# Altium PCB bms_mainboard-1_0.PcbDoc (part 6 of 7)
Units mm, origin at the board's own origin, x right, y up, seen from the top; angles counter-clockwise.
Board outline 287.5 x 127.76 mm, 6 copper layers (L1, L2, L3, L4, L5, L6), stack 1.853 mm thick; 821 components, 640 nets, 2823 pads, 1876 vias.
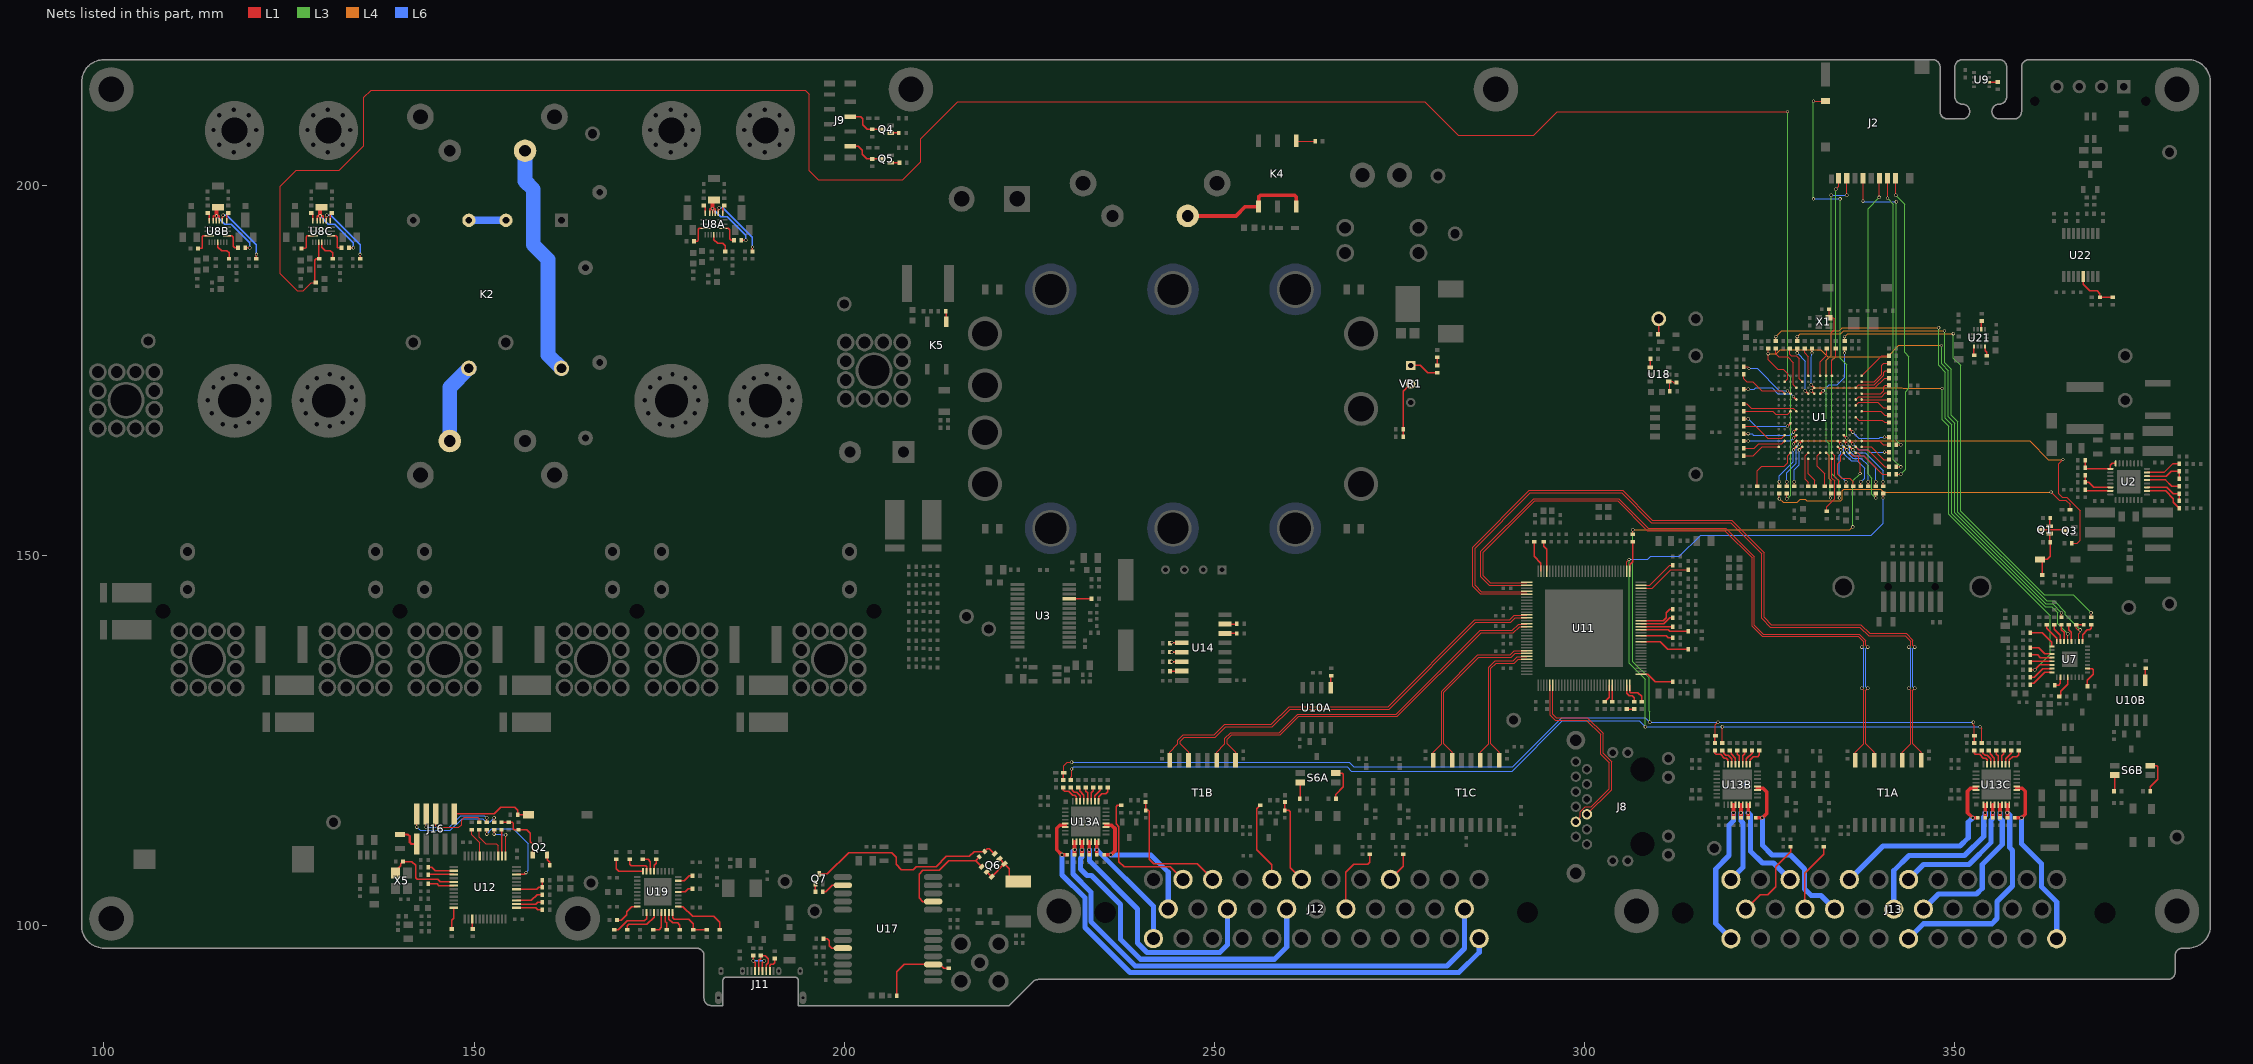
[diagram p10: the nets of this part, all layers, seen from the top]

## Via types
v1: diameter 0.45, hole 0.3, L1 to L6, 908 vias
v2: diameter 1, hole 0.6, L1 to L6, 875 vias
v3: diameter 0.65, hole 0.3, L1 to L6, 41 vias
v4: diameter 0.5, hole 0.35, L1 to L6, 28 vias
v5: diameter 0.45, hole 0.3, L1 to L6, tented both sides, 24 vias

## Nets (pads, with @x,y where several pads share a name; then routed paths per layer and width w, separated by ;. In a path a pad name is that pad's centre, name@x,y a point inside that pad or via, vN(x,y) a via of type N, cw(c..) or ccw(c..) an arc to the next point about the centre after c; other vN are vias at no path point) (continued)
NetJ11_CC2: J11.CC2 R127.2 | length 2.1
  L1 w0.2: J11.CC2@189.95,93.9 189.95,94.65 190.1,94.8 190.4,94.8 190.6,95 R127.2@190.6,95.6
NetJ11_DN1: J11.DN1 J11.DN2 R129.2 | length 5.2
  L1 w0.2: R129.2@187.7,96 v1(187.7,95.3) 187.95,95.05 J11.DN2@187.95,93.9 ; J11.DN1@188.95,93.9 188.95,95.05 v1(189.2,95.3)
  L6 w0.2: v1(187.7,95.3) v1(189.2,95.3)
NetJ11_DP1: J11.DP1 J11.DP2 R128.2 | length 5.2
  L1 w0.2: J11.DP1@188.45,93.9 188.45,95.35 188.7,95.6 R128.2@188.7,96 189.3,96 189.7,95.6 189.7,95 189.45,94.75 J11.DP2@189.45,93.9
NetJ12_2: J12.2 R217A.2 | length 18
  L1 w0.2: R217A.2@237.4,116.3 236.9,116.3 236.7,116.1 236.7,113.8 237.1,113.4 237.1,108.7 237.8,108 244.043,108 J12.2@245.75,106.294
NetJ12_3: C148A.1 FB12A.2 J12.3 | length 17.9
  L1 w0.2: FB12A.2@240.7,116.75 C148A.1@240.7,115.6 241.1,115.6 241.2,115.5 241.2,109 241.8,108.4 247.643,108.4 J12.3@249.75,106.294
NetJ12_5: J12.5 R217B.2 | length 11.1
  L1 w0.2: R217B.2@256.2,116.3 255.7,115.8 255.7,110.3 257.75,108.25 J12.5@257.75,106.294
NetJ12_6: C148B.1 FB12B.2 J12.6 | length 11.7
  L1 w0.2: FB12B.2@259.5,116.75 C148B.1@259.5,115.6 260,115.6 260.2,115.4 260.2,107.843 J12.6@261.75,106.294
NetJ12_9: J12.9 R266B.1 | length 4.1
  L1 w0.2: J12.9@273.75,106.294 275.5,108.044 R266B.1@275.5,109.7
NetJ12_13: C150A.1 J12.13 U13A.3 U13A.4 | length 19.7
  L1 w0.5: C150A.1@235.1,109.6 v4(236,109.6) 236.55,110.15 236.55,113.15 236.1,113.6 235.35,113.6
  L6 w0.7: v4(236,109.6) 241.4,109.6 243.75,107.25 J12.13@243.75,102.294
NetJ12_15: C154A.1 J12.15 U13A.29 U13A.30 | length 35
  L1 w0.5: C154A.1@233.1,109.6 233.1,111.35
  L6 w0.7: v4(233.1,110.3) 233.1,108.8 239.6,102.3 239.6,97.7 240.9,96.4 250.7,96.4 251.75,97.45 J12.15@251.75,102.294
NetJ12_17: C155A.1 J12.17 U13A.27 U13A.28 | length 45.9
  L1 w0.5: C155A.1@232.1,109.6 v4(232.1,110.3) 232.1,111.35
  L6 w0.7: v4(232.1,110.3) 232.1,109.3 231.9,109.1 231.9,107.7 232.8,106.8 233.4,106.8 237.3,102.9 237.3,98.2 240,95.5 258.1,95.5 259.75,97.15 J12.17@259.75,102.294
NetJ12_19: J12.19 R266A.1 | length 9.9
  L1 w0.2: J12.19@267.75,102.294 267.75,107.25 268.8,108.3 270.7,108.3 271,108.6 R266A.1@271,109.7
NetJ12_23: C156A.1 J12.23 U13A.25 U13A.26 | length 71.8
  L1 w0.5: C156A.1@231.1,109.6 v4(231.1,110.3) 231.1,111.35
  L6 w0.7: v4(231.1,110.3) 230.9,110.1 230.9,107 233.3,104.6 233.3,100.6 239.3,94.6 281.4,94.6 283.75,96.95 J12.23@283.75,102.294
NetJ12_24: C151A.1 J12.24 U13A.31 U13A.32 | length 16.9
  L1 w0.5: C151A.1@234.1,109.6 v4(234.1,110.3) 234.1,111.35
  L6 w0.7: v4(234.1,110.3) 241.75,102.65 J12.24@241.75,98.294
NetJ12_35: C157A.1 J12.35 U13A.21 U13A.22 | length 75.7
  L1 w0.5: 229.85,113.6 229.1,113.6 228.7,113.2 228.7,110.3 v4(229.4,109.6) C157A.1@230.1,109.6
  L6 w0.7: v4(229.4,109.6) 229.4,106.9 232.5,103.8 232.5,99.8 238.6,93.7 283,93.7 285.75,96.45 J12.35@285.75,98.294
NetJ13_1: C154B.1 J13.1 U13B.29 U13B.30 | length 11.6
  L1 w0.5: C154B.1@321.1,114.6 321.1,116.35
  L6 w0.7: J13.1@319.75,106.269 321.4,107.919 321.4,113.9 321.1,114.2 v4(321.1,115.3)
NetJ13_3: C151B.1 J13.3 U13B.31 U13B.32 | length 14
  L1 w0.5: C151B.1@322.1,114.6 v4(322.1,115.3) 322.1,116.35
  L6 w0.7: v4(322.1,115.3) 322.4,115 322.4,110.1 324,108.5 325.518,108.5 J13.3@327.75,106.269
NetJ13_5: C157C.1 J13.5 U13C.21 U13C.22 | length 27.2
  L1 w0.5: 352.85,118.6 352.1,118.6 351.7,118.2 351.7,115.3 v4(352.4,114.6) C157C.1@353.1,114.6
  L6 w0.7: J13.5@335.75,106.269 340.281,110.8 350.7,110.8 351.8,111.9 351.8,114 v4(352.4,114.6)
NetJ13_7: C155C.1 J13.7 U13C.27 U13C.28 | length 19.1
  L1 w0.5: C155C.1@355.1,114.6 v4(355.1,115.3) 355.1,116.35
  L6 w0.7: J13.7@343.75,106.269 345.781,108.3 351.9,108.3 354.9,111.3 354.9,114.3 355.1,114.5 v4(355.1,115.3)
NetJ13_13: J13.13 R266C.1 | length 11.5
  L1 w0.2: J13.13@321.75,102.269 323.681,104.2 324.7,104.2 325.8,105.3 325.8,108 327.8,110 R266C.1@327.8,110.7
NetJ13_15: J13.15 R266D.1 | length 9.5
  L1 w0.2: J13.15@329.75,102.269 329.75,107.15 332.3,109.7 R266D.1@332.3,110.7
NetJ13_16: C150B.1 J13.16 U13B.3 U13B.4 | length 24.7
  L1 w0.5: C150B.1@323.1,114.6 v4(324,114.6) 324.6,115.2 324.6,118.1 324.1,118.6 323.35,118.6
  L6 w0.7: v4(324,114.6) 324,110.9 325.3,109.6 327.8,109.6 329.7,107.7 329.7,105 330.6,104.1 331.9,104.1 333.731,102.269 J13.16@333.75,102.269
NetJ13_18: C156C.1 J13.18 U13C.25 U13C.26 | length 24.3
  L1 w0.5: C156C.1@354.1,114.6 v4(354.1,115.3) 354.1,116.35
  L6 w0.7: J13.18@341.75,102.269 341.75,107.45 343.8,109.5 351.3,109.5 353.9,112.1 353.9,114.7 354.1,114.9 v4(354.1,115.3)
NetJ13_19: C154C.1 J13.19 U13C.29 U13C.30 | length 22.3
  L1 w0.5: C154C.1@356.1,114.6 356.1,116.35
  L6 w0.7: J13.19@345.75,102.269 347.781,104.3 352.9,104.3 353.7,105.1 353.7,108.3 356.4,111 356.4,114.2 356.1,114.5 v4(356.1,115.3)
NetJ13_24: C155B.1 J13.24 U13B.27 U13B.28 | length 20.6
  L1 w0.5: C155B.1@320.1,114.6 v4(320.1,115.3) 320.1,116.35
  L6 w0.7: J13.24@319.75,98.269 317.7,100.318 317.7,107.7 319.5,109.5 319.5,113.6 320.1,114.2 v4(320.1,115.3)
NetJ13_30: C151C.1 J13.30 U13C.31 U13C.32 | length 30.3
  L1 w0.5: C151C.1@357.1,114.6 v4(357.1,115.3) 357.1,116.35
  L6 w0.7: J13.30@343.75,98.269 345.781,100.3 355,100.3 355.7,101 355.7,103.3 357.8,105.4 357.8,110.2 357.4,110.6 357.4,115 v4(357.1,115.3)
NetJ13_35: C150C.1 J13.35 U13C.3 U13C.4 | length 24.3
  L1 w0.5: C150C.1@358.1,114.6 v4(359,114.6) 359.5,115.1 359.5,118.2 359.1,118.6 358.35,118.6
  L6 w0.7: v4(359,114.6) 359,111.1 361.7,108.4 361.7,105.3 363.75,103.25 J13.35@363.75,98.269
NetJ16_1: J16.1 R205.1 | length 3.3
  L1 w0.3: R205.1@140,112.35 141.05,112.35 141.3,112.1 141.3,111.3 141.532,111.068 J16.1@142.26,111.068
NetJ16_2: J16.2 R206.2 | length 14
  L1 w0.15: J16.2@142.26,115.132 142.26,113.352 v1(142.265,113.347) ; R206.2@152.7,114 v1(152.7,114.6)
  L6 w0.15: v1(142.265,113.347) 142.712,112.9 146.8,112.9 148.4,114.5 151.2,114.5 151.6,114.1 152.2,114.1 v1(152.7,114.6)
NetJ16_4: J16.4 R207.2 | length 11.4
  L1 w0.15: v1(143.513,113.317) 143.53,113.333 J16.4@143.53,115.132 ; R207.2@151.7,114 v1(151.7,114.6)
  L6 w0.15: v1(143.513,113.317) 146.617,113.317 148.2,114.9 151.4,114.9 v1(151.7,114.6)
NetJ16_6: J16.6 R208.2 | length 9.1
  L1 w0.15: J16.6@144.8,115.132 144.8,113.5 145,113.3 147.9,113.3 148.3,113.7 148.3,114.3 148.7,114.7 150.5,114.7 150.7,114.5 R208.2@150.7,114
NetJ16_10: J16.10 R210.2 S7.2 | length 11.1
  L1 w0.2: J16.10@147.34,115.132 152.732,115.132 153.6,116 155.5,116 155.9,115.6 R210.2@155.9,115 S7.2@157.35,115
NetK2_2: K2.2 K2.3 | length 5
  L6 w1: K2.3@149.3,195.3 K2.2@154.3,195.3
NetK2_5: K2.5 R84.1 | length 31.4
  L6 w2: R84.1@156.88,204.7 156.88,200.62 158,199.5 158,192 160,190 160,177.1 K2.5@161.8,175.3
NetK2_7: K2.7 R82.1 | length 10.9
  L6 w2: R82.1@146.72,165.5 146.72,172.72 K2.7@149.3,175.3
NetK4_1: K4.1 R132.1 | length 2.6
  L1 w0.15: K4.1@261.04,206.045 261.085,206 R132.1@263.6,206
NetK4_4: K4.4 K4.6 R112.1 | length 18
  L1 w0.5: R112.1@246.38,195.9 252.9,195.9 254.155,197.155 K4.4@255.96,197.155 255.96,198.46 256.2,198.7 260.8,198.7 261.04,198.46 K4.6@261.04,197.155
NetK5_1: K5.1 R155.1 | length 1.4
  L1 w0.2: R155.1@213.7,183 213.77,182.93 K5.1@213.77,181.6
NetQ1_1: Q1.1 R57.1 R59.2 S4.2 | length 6.9
  L1 w0.2: R59.2@361.8,147.4 361.8,149.2 S4.2@361.5,149.5 362.5,149.5 362.9,149.9 R57.1@362.9,151.8 362.825,151.875 Q1.1@362.825,153
NetQ1_2: Q1.2 R58.1 | length 1.1
  L1 w0.2: Q1.2@362.825,154 362.825,155.025 R58.1@362.9,155.1
NetQ1_3: Q1.3 Q3.3 | length 3.3
  L1 w0.2: Q1.3@361.575,153.5 364.775,153.5 Q3.3@364.875,153.4
NetQ2_1: Q2.1 R201.2 R202.1 R203.1 | length 8.1
  L1 w0.2: R202.1@153.7,114 R203.1@154.7,114 155.2,114 155.3,113.9 155.3,113.1 155.4,113 R201.2@156,113 157.1,113 157.6,112.5 157.6,111.4 157.95,111.05 Q2.1@157.95,109.575
NetQ2_2: Q2.2 R204.1 | length 1.5
  L1 w0.2: Q2.2@159.85,109.575 159.85,108.95 160.2,108.6 R204.1@160.2,108.2
NetQ4_1: Q4.1 R118.1 | length 1.1
  L1 w0.2: Q4.1@206.275,207.1 R118.1@207.35,207.1
NetQ5_1: Q5.1 R119.1 | length 1.2
  L1 w0.2: Q5.1@206.275,203.1 R119.1@207.45,203.1
NetQ6_1: Q6.1 Q6.2 Q6.5 Q6.6 R245.2 | length 8.7
  L1 w0.2: Q6.5@219.234,107.334 Q6.6@219.906,106.662 Q6.1@221.638,108.394 ; Q6.2@220.966,109.066 Q6.1@221.638,108.394 ; R245.2@223.5,106 223.179,105.679 222.291,105.679 222.291,107.741 Q6.1@221.638,108.394
NetQ6_3: Q6.3 Q7.3 R246.2 | length 27.9
  L1 w0.2: Q7.3@196.6,107.025 197.725,107.025 200.6,109.9 206.4,109.9 207,109.3 207,108.3 207.7,107.6 209.3,107.6 209.7,108 212.4,108 213.8,109.4 216.9,109.4 217.554,110.054 R246.2@218.954,110.054 219.3,110.4 219.6,110.4 220.262,109.738 Q6.3@220.294,109.738
NetQ6_4: Q6.4 R246.1 U17.9 | length 15.6
  L1 w0.2: U17.9@212,103.3 210.6,103.3 210.1,103.8 210.1,107 210.6,107.5 212.8,107.5 214.134,108.834 217.734,108.834 ; R246.1@218.246,109.346 217.734,108.834 ; Q6.4@218.562,108.006 217.734,108.834
NetQ7_1: Q7.1 R248.1 | length 1.2
  L1 w0.2: R248.1@196.1,104.6 Q7.1@196.1,105.775
NetR1_2: R1.2 U1.C12 | length 5.9
  L1 w0.15: v1(340.5,164) R1.2@341.1,164
  L1 w0.2: U1.C12@335.8,165.5 v1(336.2,165.1)
  L6 w0.15: v1(336.2,165.1) 337,164.3 338.2,164.3 338.5,164 v1(340.5,164)
NetR2_2: R2.2 U1.D12 | length 8.6
  L1 w0.15: R2.2@339.3,159.4 v1(339.3,160)
  L1 w0.2: U1.D12@335,165.5 v1(335.4,165.1)
  L6 w0.15: v1(335.4,165.1) 335.8,164.7 335.8,164.1 336.4,163.5 337.7,163.5 339.3,161.9 v1(339.3,160)
NetR3_2: R3.2 U1.D14 | length 6.3
  L1 w0.15: U1.D14@335,163.9 334.6,163.5 334.6,162.8 334.2,162.4 334.2,161 334.7,160.5 335.8,160.5 336.3,160 R3.2@336.3,159.4
NetR4_2: R4.2 U1.N7 | length 6.6
  L1 w0.15: R4.2@321.5,169.5 325.4,169.5 325.8,169.1 327.4,169.1 U1.N7@327.8,169.5
NetR5_2: R5.2 U1.M7 | length 7.5
  L1 w0.15: R5.2@321.5,170.5 321.9,170.5 322.5,169.9 328.2,169.9 U1.M7@328.6,169.5
NetR6_2: R6.2 U1.M13 | length 6.3
  L1 w0.15: R6.2@326.3,159.4 v1(326.3,160)
  L1 w0.2: v1(328.2,164.3) U1.M13@328.6,164.7
  L6 w0.15: v1(326.3,160) 326.3,160.8 328.2,162.7 v1(328.2,164.3)
NetR7_2: R7.2 U1.L2 | length 5.6
  L1 w0.15: R7.2@327.7,178 327.7,177.2 327.9,177 328.6,177 329,176.6 329,173.9 U1.L2@329.4,173.5
NetR8_1: R8.1 U1.N4 | length 7.8
  L1 w0.15: R8.1@321.5,175.5 322,175.5 v1(322.2,175.3) ; v1(327.4,172.3) U1.N4@327.8,171.9
  L6 w0.15: v1(322.2,175.3) 323.3,175.3 326.3,172.3 v1(327.4,172.3)
NetR9_2: R9.2 U1.F15 | length 7.7
  L1 w0.15: R9.2@332.7,156 332.7,156.6 333.8,157.7 333.8,160.1 333.4,160.5 U1.F15@333.4,163.1
NetR12_1: R12.1 U1.P4 | length 6.9
  L1 w0.15: R12.1@321.5,174.5 321.5,173.9 321.9,173.5 322.7,173.5 323.9,172.3 326.6,172.3 U1.P4@327,171.9
NetR15_2: R15.2 U1.M10 | length 7.5
  L1 w0.15: R15.2@321.5,166.5 v1(322.1,166.5)
  L1 w0.2: v1(328.2,166.7) U1.M10@328.6,167.1
  L6 w0.15: v1(322.1,166.5) 322.6,166.5 322.8,166.3 327.8,166.3 v1(328.2,166.7)
NetR16_2: R16.2 U1.M11 | length 7.4
  L1 w0.15: R16.2@321.5,165.5 v1(322.1,165.5)
  L1 w0.2: v1(328.2,165.9) U1.M11@328.6,166.3
  L6 w0.15: v1(322.1,165.5) 327.8,165.5 v1(328.2,165.9)
NetR17_2: R17.2 U1.L12 | length 7
  L1 w0.15: R17.2@327.3,159.4 v1(327.3,160)
  L1 w0.2: v1(329,165.1) U1.L12@329.4,165.5
  L6 w0.15: v1(327.3,160) 327.3,161.2 328.6,162.5 328.6,164.7 v1(329,165.1)
NetR18_2: R18.2 U1.H14 | length 5.1
  L1 w0.15: U1.H14@331.8,163.9 331.4,163.5 331.4,162.1 332.4,161.1 R18.2@332.4,159.4
NetR19_2: R19.2 U1.B3 | length 5.7
  L1 w0.15: U1.B3@336.6,172.7 337,173.1 339.1,173.1 340.4,174.4 340.4,174.8 340.6,175 R19.2@341.1,175
NetR21_2: R21.2 U1.A5 | length 3.7
  L1 w0.15: U1.A5@337.4,171.1 341,171.1 R21.2@341.1,171
NetR23_2: R23.2 U1.A4 | length 4.4
  L1 w0.15: U1.A4@337.4,171.9 340,171.9 340.4,172.3 340.4,172.8 340.6,173 R23.2@341.1,173
NetR24_2: R24.2 U1.M5 | length 7.8
  L1 w0.15: R24.2@321.5,172.5 v1(322.1,172.5)
  L1 w0.2: v1(328.2,171.5) U1.M5@328.6,171.1
  L6 w0.15: v1(322.1,172.5) 322.9,172.5 323.1,172.7 325.3,172.7 326.1,171.9 327.8,171.9 v1(328.2,171.5)
NetR25_2: R25.2 U1.A3 | length 4.2
  L1 w0.15: U1.A3@337.4,172.7 339.2,172.7 340.5,174 R25.2@341.1,174
NetR27_2: R27.2 U1.K1 | length 3.9
  L1 w0.15: R27.2@329.7,178 329.7,177.4 330.2,176.9 U1.K1@330.2,174.3
NetR28_2: R28.2 U1.A2 | length 5.4
  L1 w0.15: U1.A2@337.4,173.5 339.1,173.5 340.1,174.5 340.1,175.7 340.4,176 R28.2@341.1,176
NetR29_2: R29.2 U1.A1 | length 4.8
  L1 w0.15: U1.A1@337.4,174.3 340.1,177 R29.2@341.1,177
NetR31_2: R31.2 U1.P12 | length 5.9
  L1 w0.15: R31.2@321.5,164.5 322.9,164.5 323.5,165.1 326.6,165.1 U1.P12@327,165.5
NetR33_2: R33.2 U1.B6 | length 5
  L1 w0.15: U1.B6@336.6,170.3 337,170.7 339.6,170.7 340.3,170 R33.2@341.1,170
NetR34_2: R34.2 U1.R13 | length 5.2
  L1 w0.15: R34.2@321.5,163.5 322.8,163.5 324,164.7 U1.R13@326.2,164.7
NetR35_2: R35.2 U1.B5 | length 4.9
  L1 w0.15: U1.B5@336.6,171.1 337,171.5 340.1,171.5 340.6,172 R35.2@341.1,172
NetR36_2: R36.2 U1.A7 | length 3.9
  L1 w0.15: U1.A7@337.4,169.5 340,169.5 340.5,169 R36.2@341.1,169
NetR37_2: R37.2 U1.N9 | length 6.9
  L1 w0.15: R37.2@321.5,168.5 v1(322.1,168.5)
  L1 w0.2: v1(327.4,167.5) U1.N9@327.8,167.9
  L6 w0.15: v1(322.1,168.5) 323.1,167.5 v1(327.4,167.5)
NetR38_2: R38.2 U1.B8 | length 4.8
  L1 w0.15: U1.B8@336.6,168.7 337,168.3 340.2,168.3 340.5,168 R38.2@341.1,168
NetR40_2: R40.2 U1.L13 | length 5.8
  L1 w0.15: R40.2@328.3,159.4 v1(328.3,160)
  L1 w0.2: v1(329,164.3) U1.L13@329.4,164.7
  L6 w0.15: v1(328.3,160) 328.3,161.6 329,162.3 v1(329,164.3)
NetR41_2: R41.2 U1.K14 | length 4.8
  L1 w0.15: R41.2@330.2,159.4 330.2,159.9 329.8,160.3 329.8,163.5 U1.K14@330.2,163.9
NetR43_2: R43.2 U1.P11 | length 6.3
  L1 w0.15: R43.2@321.5,167.5 323.1,167.5 324.7,165.9 326.6,165.9 U1.P11@327,166.3
NetR44_2: R44.2 U1.C13 | length 7.9
  L1 w0.15: R44.2@340.3,159.4 v1(340.3,160)
  L1 w0.2: U1.C13@335.8,164.7 v1(336.2,164.3)
  L6 w0.15: v1(336.2,164.3) 336.6,163.9 337.9,163.9 340.3,161.5 v1(340.3,160)
NetR45_2: R45.2 U1.A13 | length 4.4
  L1 w0.15: U1.A13@337.4,164.7 338.7,164.7 340.4,163 R45.2@341.1,163
NetR46_2: R46.2 U1.K4 | length 6.7
  L1 w0.15: v1(328.7,177.4) R46.2@328.7,178
  L1 w0.2: v1(329.8,172.3) U1.K4@330.2,171.9
  L6 w0.15: v1(328.7,177.4) 329.8,176.3 v1(329.8,172.3)
NetR47_2: R47.2 U1.G14 | length 4.8
  L1 w0.15: U1.G14@332.6,163.9 333,163.5 333,160.4 333.3,160.1 R47.2@333.3,159.4
NetR48_2: R48.2 U1.F14 | length 4.9
  L1 w0.15: U1.F14@333.4,163.9 333.8,163.5 333.8,160.7 334.3,160.2 R48.2@334.3,159.4
NetR49_2: R49.2 U1.B14 | length 5.7
  L1 w0.15: U1.B14@336.6,163.9 336.9,163.9 337.3,163.5 337.7,163.5 340.2,161 R49.2@341.1,161
NetR50_2: R50.2 U1.B13 | length 5.6
  L1 w0.15: U1.B13@336.6,164.7 337,164.3 338.2,164.3 340.5,162 R50.2@341.1,162
NetR51_2: R51.2 U1.A12 | length 3.9
  L1 w0.15: U1.A12@337.4,165.5 339.8,165.5 340.3,165 R51.2@341.1,165
NetR53_2: R53.2 U1.H4 | length 8.1
  L1 w0.15: v1(335.1,177.4) R53.2@335.1,178
  L1 w0.2: U1.H4@331.8,171.9 v1(332.2,172.3)
  L6 w0.15: v1(332.2,172.3) 333,173.1 334.1,173.1 335.1,174.1 v1(335.1,177.4)
NetR55_1: R55.1 U1.F1 | length 3.9
  L1 w0.15: U1.F1@333.4,174.3 333.4,176.4 333.9,176.9 R55.1@333.9,178
NetR60_1: R60.1 R66.2 U2.22 | length 5.6
  L1 w0.2: U2.22@375.95,160.75 378.55,160.75 379.2,161.4 R66.2@380.3,161.4 R60.1@380.3,160.4
NetR64_2: R64.2 U2.21 | length 4.7
  L1 w0.203: U2.21@375.95,160.25 378.45,160.25 379.3,159.4 R64.2@380.3,159.4
NetR65_2: R65.2 U2.23 | length 4.8
  L1 w0.203: U2.23@375.95,161.25 378.25,161.25 379.4,162.4 R65.2@380.3,162.4
NetR69_1: R69.1 R70.2 U2.1 U2.32 | length 5.8
  L1 w0.2: R69.1@367.6,162.9 R70.2@367.6,161.9 367.75,161.75 U2.1@371,161.75 371,162.2 371.275,162.475 U2.32@371.725,162.475
NetR71_1: R71.1 R81.2 U2.6 | length 4.7
  L1 w0.2: R71.1@367.6,160.9 R81.2@367.6,159.9 368.1,159.9 368.75,159.25 U2.6@371,159.25
NetR73_2: R73.2 U2.7 | length 3.5
  L1 w0.2: R73.2@367.6,158.9 367.75,158.75 U2.7@371,158.75
NetR74_1: R74.1 U3.25 | length 3
  L1 w0.203: U3.25@230.4,144.175 233.375,144.175 R74.1@233.4,144.2
NetR86_1: R86.1 R94.2 U2.19 | length 5.7
  L1 w0.2: U2.19@375.95,159.25 378.65,159.25 379.5,158.4 R86.1@380.3,158.4 R94.2@380.3,157.4
NetR93_2: R93.2 U2.18 | length 5.6
  L1 w0.2: U2.18@375.95,158.75 378.45,158.75 379.5,157.7 379.5,157.2 R93.2@380.3,156.4
NetR95_2: R95.2 U1.M3 | length 7.2
  L1 w0.15: R95.2@325.8,178 325.8,177.3 326.2,176.9 327.4,176.9 328.2,176.1 328.2,173.1 U1.M3@328.6,172.7
NetR96_1: R96.1 R247.1 U17.3 | length 10.8
  L1 w0.2: R96.1@207.1,90.6 207.1,93.8 208.1,94.8 U17.3@212,94.8 212.9,94.8 213.4,94.3 R247.1@214.1,94.3
NetR103_2: R103.2 U11.76 | length 6.8
  L1 w0.2: U11.76@307.6,138.4 310.2,138.4 311.2,137.4 R103.2@314,137.4
NetR108_1: R108.1 R109.1 | length 1.1
  L1 w0.2: R109.1@280.1,175.7 R108.1@280.1,176.8
NetR109_2: R109.2 VR1.1 | length 4
  L1 w0.2: VR1.1@276.5,175.7 277.8,175.7 278.8,174.7 R109.2@280.1,174.7
NetR110_2: R110.2 R111.2 VR1.2 | length 7.5
  L1 w0.2: R111.2@275.5,166.1 275.5,172.2 VR1.2@276.5,173.2
NetR120_2: R120.2 U11.78 | length 4.4
  L1 w0.2: U11.78@307.6,139.2 311,139.2 311.3,138.9 R120.2@311.9,138.9
NetR121_2: R121.2 U11.83 | length 5.4
  L1 w0.2: U11.83@307.6,141.2 310.6,141.2 311,141.6 311,142.3 311.5,142.8 R121.2@311.9,142.8
NetR123_2: R123.2 U11.82 | length 4.6
  L1 w0.2: U11.82@307.6,140.8 310.7,140.8 311.5,141.6 R123.2@311.9,141.6
NetR125_2: R125.2 U11.81 | length 4.3
  L1 w0.2: U11.81@307.6,140.4 R125.2@311.9,140.4
NetR131_2: R131.2 U11.80 | length 6.5
  L1 w0.2: U11.80@307.6,140 311.3,140 311.5,139.8 R131.2@314,139.8
NetR134_1: R134.1 U11.97 | length 4.2
  L1 w0.2: U11.97@306.1,147.9 306.1,148.8 306.5,149.2 R134.1@306.5,151.9
NetR135A_1: R135A.1 U8A.9 | length 1.2
  L1 w0.2: R135A.1@181,197.3 181.05,197.3 181.2,197.15 U8A.9@181.2,196.25
NetR135B_1: R135B.1 U8B.9 | length 1.2
  L1 w0.2: R135B.1@114,196.3 114.05,196.3 114.2,196.15 U8B.9@114.2,195.25
NetR135C_1: R135C.1 U8C.9 | length 1.2
  L1 w0.2: R135C.1@128,196.3 128.05,196.3 128.2,196.15 U8C.9@128.2,195.25
NetR136A_2: R136A.2 U8A.5 | length 8.9
  L1 w0.2: U8A.5@183,196.25 183,196.7 183.071,196.771 183.071,196.971 v1(183.1,197) ; R136A.2@187.6,191.1 v1(187.6,191.7)
  L6 w0.2: v1(183.1,197) 183.615,197 187.6,193.015 v1(187.6,191.7)
NetR136B_2: R136B.2 U8B.5 | length 8.9
  L1 w0.2: U8B.5@116,195.25 116,195.7 116.071,195.771 116.071,195.971 v1(116.1,196) ; R136B.2@120.6,190.1 v1(120.6,190.7)
  L6 w0.2: v1(116.1,196) 116.615,196 120.6,192.015 v1(120.6,190.7)
NetR136C_2: R136C.2 U8C.5 | length 8.9
  L1 w0.2: U8C.5@130,195.25 130,195.7 130.071,195.771 130.071,195.971 v1(130.1,196) ; R136C.2@134.6,190.1 v1(134.6,190.7)
  L6 w0.2: v1(130.1,196) 130.615,196 134.6,192.015 v1(134.6,190.7)
NetR137A_2: R137A.2 U8A.12 | length 3.1
  L1 w0.2: R137A.2@179.7,192.5 180.183,192.5 180.3,192.617 180.3,194.083 180.417,194.2 U8A.12@181.25,194.2
NetR137B_2: R137B.2 U8B.12 | length 3.1
  L1 w0.2: R137B.2@112.7,191.5 113.183,191.5 113.3,191.617 113.3,193.083 113.417,193.2 U8B.12@114.25,193.2
NetR137C_2: R137C.2 U8C.12 | length 3.1
  L1 w0.2: R137C.2@126.7,191.5 127.183,191.5 127.3,191.617 127.3,193.083 127.417,193.2 U8C.12@128.25,193.2
NetR139A_1: R139A.1 U8A.4 | length 1.2
  L1 w0.2: U8A.4@183.6,196.25 183.6,197.15 183.75,197.3 R139A.1@183.8,197.3
NetR139B_1: R139B.1 U8B.4 | length 1.2
  L1 w0.2: U8B.4@116.6,195.25 116.6,196.15 116.75,196.3 R139B.1@116.8,196.3
NetR139C_1: R139C.1 U8C.4 | length 1.2
  L1 w0.2: U8C.4@130.6,195.25 130.6,196.15 130.75,196.3 R139C.1@130.8,196.3
NetR141A_1: R141A.1 U8A.16 | length 3.3
  L1 w0.2: U8A.16@182.4,193.35 182.4,192.7 182.9,192.2 183.6,192.2 183.9,191.9 R141A.1@183.9,191.1
NetR141B_1: R141B.1 U8B.16 | length 3.3
  L1 w0.2: U8B.16@115.4,192.35 115.4,191.7 115.9,191.2 116.6,191.2 116.9,190.9 R141B.1@116.9,190.1
NetR141C_1: R141C.1 U8C.16 | length 3.3
  L1 w0.2: U8C.16@129.4,192.35 129.4,191.7 129.9,191.2 130.6,191.2 130.9,190.9 R141C.1@130.9,190.1
NetR142A_1: R142A.1 R145A.2 U8A.6 U8A.7 U8A.8 | length 11.3
  L1 w0.2: U8A.8@181.8,196.25 181.8,196.9 v1(182.2,196.9) ; U8A.7@182.2,196.25 v1(182.2,196.9) ; U8A.6@182.6,196.25 182.6,196.9 v1(182.2,196.9) ; R142A.1@186.1,192.6 v1(186.7,192.6)
  L1 w0.5: v1(182.2,196.9) 182.2,197.85 R145A.2@182.4,198.05
  L6 w0.2: v1(182.2,196.9) 183.3,195.8 184.2,195.8 186.7,193.3 v1(186.7,192.6)
NetR142A_2: R142A.2 U8A.1 | length 2.8
  L1 w0.2: U8A.1@183.65,194.2 184.3,194.2 184.5,194 184.5,192.8 184.7,192.6 R142A.2@185.1,192.6
NetR142B_1: R142B.1 R145B.2 U8B.6 U8B.7 U8B.8 | length 11.3
  L1 w0.2: U8B.8@114.8,195.25 114.8,195.9 v1(115.2,195.9) ; U8B.7@115.2,195.25 v1(115.2,195.9) ; U8B.6@115.6,195.25 115.6,195.9 v1(115.2,195.9) ; R142B.1@119.1,191.6 v1(119.7,191.6)